# KiCad board dilemma.kicad_pcb (continued)
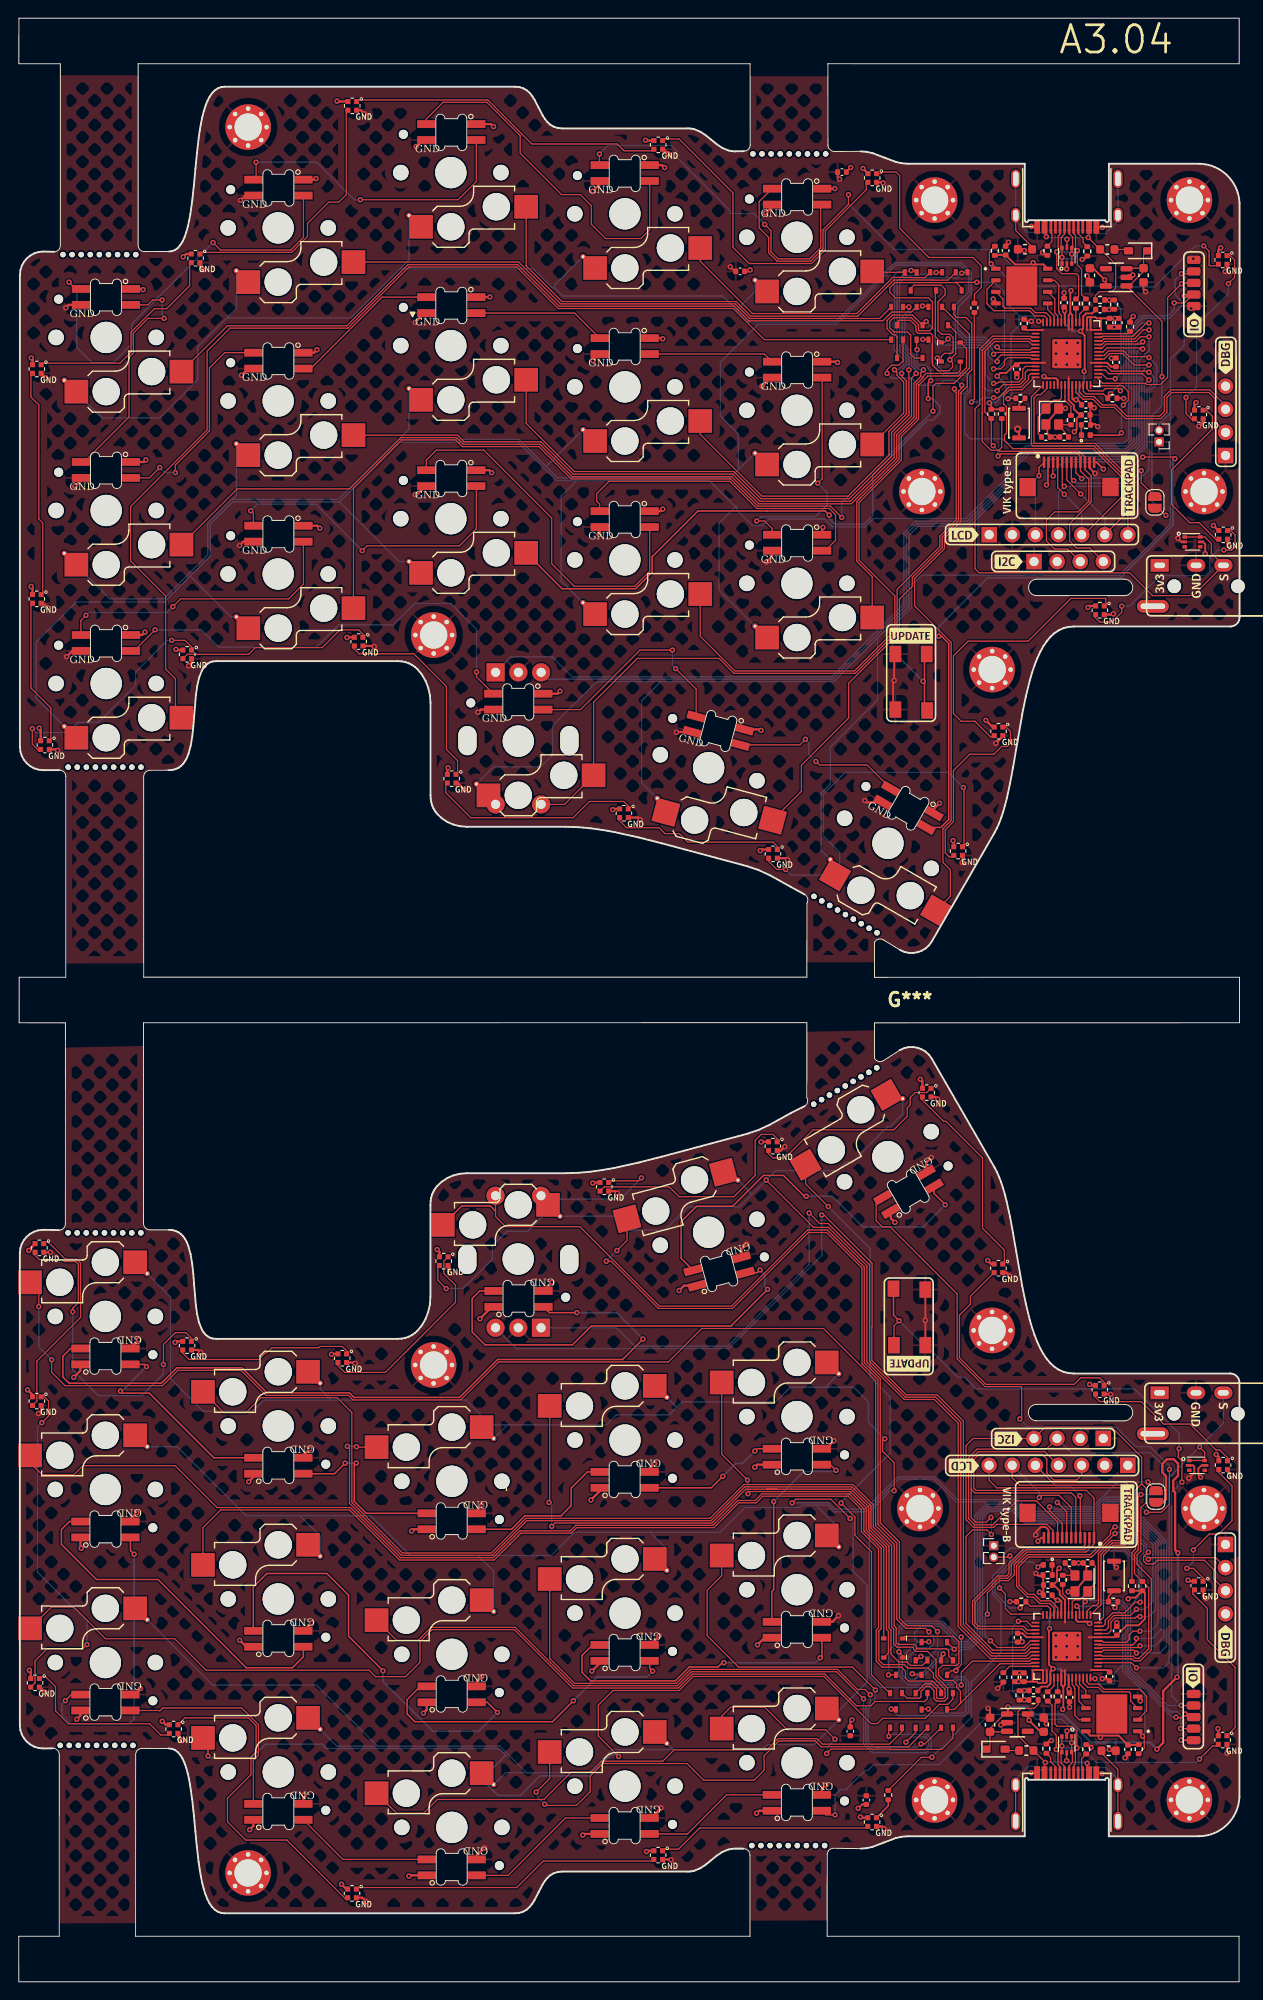
[diagram p0: board, top side]
## Routing (per net, layer and track width the routed paths; a pad name or vN(x,y) marks a point on that pad's centre or on a via; arc(x,y) is an arc through that point) (continued)
SDA_L: length 80.8
  Top w0.13: R5013.1 122.31,47.12 122.72,47.53 122.72,54.01 123.39,54.67 ; J5007.10 113.65,49.55 112.97,50.22 107.45,50.22 107.12,49.89 104.91,49.89 104.09,50.72 104.09,58.88 104.87,59.66 O5001.4 112.8,60.91 120.09,60.91 123.39,57.61 123.39,54.67 ; U5002.4 118.62,35.46 122.33,35.46 122.56,35.23 123.23,35.23 124.45,36.45 124.45,44.26 122.88,45.82 122.88,46.88 123.3,47.29 123.3,52.04 123.86,52.6 123.86,54.19 123.39,54.67
SERIAL: length 67.2
  Top w0.13: U5005.1 U5005.6 130.33,158.64 131.04,157.93 131.04,156.85 J102.R2 129.06,152.22 128.64,152.22 128.62,152.2 124.58,152.2 122.07,154.71 105.52,154.71 105.07,155.15 105.07,172.72 105.55,173.19 105.59,173.19 105.59,179.27 107,180.68 109.24,180.68 109.24,180.68 111.21,180.68 111.33,180.57 U1.3
SERIAL_L: length 43.8
  Top w0.13: v1(129.75,58.72) 130.32,58.15 U5006.6 U5006.1 ; U5002.3 122.26,35.03 v1(122.82,34.48)
  Bottom w0.13: J5003.R2 132.36,61.33 v1(129.75,58.72) 126.4,55.37 126.4,35.09 125.79,34.48 v1(122.82,34.48)
UNDER_RGB: length 18.5
  Top w0.13: v1(104.69,173.45) 105,173.76 105,183.28 R5016.1 ; U1.13 111.18,176.57 110.95,176.33 110.95,175.92 110.11,175.09 108.8,175.09 107.65,173.93 v1(107.11,173.93)
  Bottom w0.13: v1(107.11,173.93) 105.91,173.93 105.43,173.45 v1(104.69,173.45)
UNDER_RGB_L: length 59
  Top w0.13: R5015.1 99.18,24.65 v1(100.34,24.65) ; U5002.13 119.14,39.03 119.37,39.27 119.37,39.67 120.21,40.51 121.52,40.51 122.67,41.67 v1(123.21,41.67)
  Bottom w0.13: v1(123.21,41.67) 123.35,41.81 123.35,45.92 121.66,47.61 108.9,47.61 108.28,46.98 108.28,45.81 106.99,44.52 106.99,42.55 107.92,41.62 107.92,36.17 104.65,32.91 104.65,29.01 100.34,24.7 v1(100.34,24.65)
VIK_GP1: length 35.8
  Top w0.13: U1.15 111.27,174.04 111.27,168.79 111.44,168.62 118.17,168.62 121.59,165.21 121.59,161.14 J3.6 ; J113.6 115.16,164.9 v1(116.69,163.37)
  Bottom w0.13: J3.6 119.33,160.73 v1(116.69,163.37)
VIK_GP1_L: length 43.4
  Top w0.13: J5007.6 115.65,52.08 114.32,53.41 112.37,53.41 v1(112.14,53.17) ; J5004.6 109.16,55.34 109.98,54.53 121.53,54.53 122.15,53.91 122.15,48.93 121.41,48.19 120.17,48.19 118.91,46.94 118.91,41.43 U5002.15
  Bottom w0.13: J5004.6 112.14,53.73 v1(112.14,53.17)
VIK_GP2: length 41.5
  Top w0.13: J3.5 117.05,158.89 121.3,163.14 121.3,165.09 118.05,168.34 110.71,168.34 110.71,168.34 109.21,168.34 108.31,169.24 108.31,169.81 108.54,170.04 108.54,172.92 108.22,173.23 108.21,173.23 108.21,174.13 108.88,174.8 110.23,174.8 111.59,176.17 U1.14 ; J113.4 114.16,164.05 v1(114.89,163.32)
  Bottom w0.13: J3.5 116.79,161.42 v1(114.89,163.32)
VIK_GP2_L: length 39.7
  Top w0.13: J5004.5 113.6,54.81 121.65,54.81 122.44,54.03 122.44,48.86 121.52,47.94 120.27,47.94 119.2,46.86 119.2,40.04 U5002.14 ; v1(116.61,53.36) 116.65,53.32 J5007.4
  Bottom w0.13: v1(116.61,53.36) 115.51,54.46 113.95,54.46 J5004.5
VIK_RGB: length 75.7
  Top w0.13: v1(116.79,165.05) 116.16,165.68 J113.8 ; v1(123.51,167.41) 126.85,167.41 v1(127.03,167.23)
  Top w0.16: v1(101.08,147.73) 101.39,147.73 102.18,146.95 102.18,127.61 101.32,126.75 D5033.1
  Bottom w0.13: v1(123.51,167.41) 123.48,167.41 121.2,165.13 116.87,165.13 v1(116.79,165.05)
  Bottom w0.16: v1(127.03,167.23) 126.81,167.01 126.81,159.93 121.06,154.18 106.48,154.18 101.08,148.78 v1(101.08,147.73)
VIK_RGB_L: length 75.8
  Top w0.13: J5007.8 114.65,50.35 113.27,51.73 v1(113.27,52.14) ; D5051.1 94.21,85.39 94.21,83.56 94.9,82.87 95.77,82.87 103.11,75.52 103.11,68.39 106.16,65.34 110.2,65.34 110.2,62.01 v1(109.99,61.8) ; v1(126.44,56.26) 126.44,52.45 125.54,51.55 v1(123.91,51.55)
  Bottom w0.13: v1(109.99,61.8) 110.89,60.9 120.55,60.9 122.69,58.76 124.34,58.76 126.44,56.66 v1(126.44,56.26) ; v1(113.27,52.14) 113.57,52.14 113.81,51.9 118.14,51.9 119.44,53.2 122.26,53.2 v1(123.91,51.55)
Net-(C4-Pad1): length 3.1
  Top w0.13: Y1.3 C4.1 ; 115.66,170.96 114.3,170.96
Net-(C5008-Pad1): length 3.1
  Top w0.13: Y5001.3 C5008.1 ; 114.66,44.64 116.02,44.64
Net-(D1-K): length 1.1
  Top w0.13: 116.75,171.04 116.75,169.95 116.78,169.92
Net-(D2-A): length 1.6
  Top w0.13: F1.2 121.79,190.21 D2.2
Net-(D3-DIN): length 23.7
  Top w0.13: D3.1 94.73,198.54 94.9,198.71 96.4,198.71 96.8,198.31 96.8,192.53 100,189.33 104.84,189.33 105.77,188.4 105.77,186.04 105.01,185.28 R5016.2
Net-(D3-DOUT): length 36.6
  Top w0.13: 93.13,197.41 93.13,196.76 88.63,192.26 88.63,190.18 87.11,188.66 80.27,188.66 78.48,190.45 78.48,196.42 72.56,202.34 70.92,202.34
Net-(D4-DOUT): length 22
  Top w0.13: 36.7,146.5 37.39,145.81 43.41,145.81 47,142.22 47,135.3 48.22,134.08 48.22,132.75
Net-(D11-DIN): length 34.6
  Top w0.13: 69.62,201.04 66.51,201.04 65.76,201.79 56.38,201.79 51.54,206.63 37.29,206.63
Net-(D11-DOUT): length 28.5
  Top w0.13: 35.99,205.33 35.99,196.23 35.17,195.4 34.06,195.4 31.73,193.07 31.73,191.63 29.99,189.89 20.08,189.89
Net-(D12-DIN): length 23.3
  Top w0.13: 67.15,128.96 67.13,128.96 66.49,129.6 62.7,129.6 60.91,127.81 49.67,127.81 46.92,130.56 46.92,131.45
Net-(D12-DOUT): length 19
  Top w0.13: 65.85,127.66 66.8,126.71 70.36,126.71 71,126.07 72.59,126.07 73.52,125.14 82.88,125.14 83.52,124.5
Net-(D15-DOUT): length 23.3
  Top w0.13: 2.64,177.73 11.13,177.73 12.34,178.94 12.34,181.14 14.91,183.71 16.26,183.71 18.78,186.23 18.78,188.59
Net-(D16-DIN): length 40.9
  Top w0.13: v1(84.27,122.13) 83.29,122.13 82.22,123.2 ; v1(103.8,131.13) 103.87,131.06 103.87,124.8
  Bottom w0.13: v1(103.8,131.13) 102.13,132.8 90.82,132.8 88.42,130.4 88.42,125.8 90.21,124.01 90.21,122.86 88.87,121.52 84.88,121.52 v1(84.27,122.13)
Net-(D16-DOUT): length 20.1
  Top w0.13: 102.57,123.5 102.27,123.5 101.81,123.96 101.81,126.49 102.71,127.4 102.71,133 104.49,134.78 107.14,134.78 107.99,135.64 108.61,135.64 108.97,136 108.97,137.29 108.31,137.95
Net-(D18-DOUT): length 24.5
  Top w0.13: 1.34,176.43 1.34,174.01 2.21,173.14 2.21,160.61 2.64,160.18 2.64,152.49
Net-(D19-DOUT): length 31.7
  Top w0.13: 119.45,151.24 119.45,151.85 119.4,151.9 115.61,151.9 110.91,147.2 104.31,147.2 102.71,145.6 102.71,139.25 103.55,138.41 105.07,138.41 105.17,138.31 105.17,138.3 106.82,136.65 107.01,136.65
Net-(D21-DOUT): length 15.7
  Top w0.13: 1.34,151.19 1.34,142.06 3.53,139.87 3.53,136.44
Net-(D22-DOUT): length 22.7
  Top w0.13: v1(121.2,151.04) 121.2,150.38 120.11,149.28 118.81,149.28 118.15,149.94 ; v1(132.41,157.2) 133.27,157.2 133.66,157.59 133.66,158.86 133,159.52
  Bottom w0.13: v1(132.41,157.2) 131.78,157.2 130.88,156.3 130.88,154.87 130.4,154.39 125.39,154.39 122.04,151.04 v1(121.2,151.04)
Net-(D24-DOUT): length 26
  Top w0.13: 19.16,146.4 18.27,147.29 v1(16.8,147.29) ; 2.23,135.14 1.49,135.88 v1(1.49,137.61)
  Bottom w0.13: v1(1.49,137.61) 1.93,137.17 5.43,137.17 6.55,138.29 8.78,138.29 12.84,142.35 12.84,143.8 16.33,147.29 v1(16.8,147.29)
Net-(D25-DOUT): length 19.4
  Top w0.13: 130.32,172.74 131.16,171.9 131.16,170.49 126.67,166 126.67,162.2 128.67,160.2 129.72,160.2 131.7,158.22
Net-(D27-DOUT): length 21.8
  Top w0.13: 38,147.8 37.36,148.44 35.31,148.44 33.36,146.49 25.99,146.49 25.26,145.76 18.52,145.76 17.86,145.1
Net-(D28-DOUT): length 21.1
  Top w0.13: 132.94,189.71 133.6,189.05 133.6,187.13 v1(132.92,186.45) ; 129.02,171.44 128.26,172.2 v1(128.26,173.96)
  Bottom w0.13: v1(132.92,186.45) 132.92,185.36 129.42,181.86 129.42,175.12 v1(128.26,173.96)
Net-(D30-A-Pad1): length 109.5
  Top w0.13: D30.1 99.86,184 v1(99.31,184) ; v1(99.41,177) 99.11,176.7 99.11,176.26 98.37,175.51 98.37,171.78 96.47,169.88 96.47,167.27 91.47,162.28 81.32,162.28 78.33,165.27 60.81,165.27 57.26,168.82 48.85,168.82 48.11,169.55 42,169.55 36.37,163.92 24,163.92 SW102.2
  Bottom w0.13: v1(99.41,177) 98.93,177 98.38,177.55 98.38,178.63 97.36,179.65 97.36,182.65 98.39,183.69 98.99,183.69 v1(99.31,184)
Net-(D30-A-Pad2): length 88.8
  Top w0.13: SW101.2 22.91,181.83 36.04,181.83 42.75,188.54 54.82,188.54 59.38,183.98 78.62,183.98 80.22,182.37 94.97,182.37 95.94,183.34 98.1,183.34 D30.2
Net-(D31-A-Pad1): length 83.8
  Top w0.13: v1(98.61,176.6) 98.07,176.05 98.07,176 98.1,175.97 98.1,175.38 98.1,171.9 96.19,169.99 96.19,167.38 91.36,162.55 81.43,162.55 78.44,165.54 60.93,165.54 57.37,169.09 48.96,169.09 48.23,169.82 SW105.2 ; v1(97.81,183.9) D31.1
  Bottom w0.13: v1(98.61,176.6) 98.61,176.91 98.09,177.43 98.09,178.51 97.07,179.53 97.07,182.77 97.96,183.65 97.71,183.9 v1(97.81,183.9)
Net-(D31-A-Pad2): length 62.5
  Top w0.13: 95.59,183.63 D31.2 94.59,182.63 80.32,182.63 78.72,184.23 59.53,184.23 54.94,188.82 SW104.2
Net-(D32-A-Pad1): length 78.5
  Top w0.13: v1(97.81,177) 97.81,172.36 97.81,172.36 97.81,172.01 95.91,170.11 95.91,167.5 91.24,162.84 81.55,162.84 78.56,165.83 61.04,165.83 55.76,171.11 SW108.2
  Top w0.16: D32.1 103.7,187.7 v1(103.61,187.61)
  Bottom w0.13: v1(97.81,177) 97.81,178.39 96.79,179.41 96.79,179.71 96.79,186.57 97.31,187.1 103.1,187.1 v1(103.61,187.61)
Net-(D32-A-Pad2): length 58
  Top w0.13: SW107.2 55.76,188.41 59.68,184.49 78.83,184.49 80.43,182.89 92.2,182.89 96.17,186.86 100.35,186.86 100.36,186.84 102.1,186.84 D32.2
Net-(D33-A-Pad1): length 53
  Top w0.13: SW113.2 74.88,169.91 81.67,163.13 91.12,163.13 95.62,167.62 95.62,170.23 97.52,172.13 97.52,175.79 97.23,176.09 97.21,176.09 97.01,176.29 v1(97.01,176.6) ; v1(100.81,187.68) 100.84,187.71 D33.1
  Bottom w0.13: v1(97.01,176.6) 97.01,176.91 97.52,177.43 97.52,178.27 96.5,179.29 96.5,186.69 97.17,187.36 98.97,187.36 99.09,187.48 100.61,187.48 v1(100.81,187.68)
Net-(D33-A-Pad2): length 31.1
  Top w0.13: 98,187.14 98.03,187.11 99.56,187.11 D33.2 ; 98,187.14 96.05,187.14 93.11,184.2 92.08,183.18 80.62,183.18 74.88,188.91 SW112.2 ; 98,187.14 98.09,187.14
Net-(D34-A-Pad1): length 24.3
  Top w0.13: D34.1 98.46,187.9 v1(98.06,187.9) ; v1(96.23,177) 96.5,176.72 96.5,176.39 97.09,175.8 97.11,175.8 97.24,175.67 97.24,172.83 97.23,172.25 SW116.2
  Bottom w0.13: v1(98.06,187.9) 97.96,187.8 96.61,187.8 96.21,187.4 96.21,179.18 97.24,178.15 97.24,177.55 96.72,177.03 96.72,177.03 96.69,177 v1(96.23,177)
Net-(D34-A-Pad2): length 3.6
  Top w0.13: D34.2 93.88,187.7 SW115.2
Net-(D35-A-Pad1): length 70.4
  Top w0.13: v1(95.41,176.6) 95.41,177 95.91,177.5 96.71,177.5 97.16,177.95 D35.1 ; v1(103.61,175.3) 103.61,174.98 103.26,174.64 103.26,160.42 101.46,158.62 101.46,157.47 98.18,154.19 98.18,153.22 96.77,151.81 96.77,148.16 91.2,142.58 91.2,138.78 86,133.58 86,130.71 SW118.2
  Bottom w0.13: v1(95.41,176.6) 95.91,176.09 98.12,176.09 98.91,175.3 101.11,175.3 101.61,175.81 103.1,175.81 v1(103.61,175.3)
Net-(D35-A-Pad2): length 128.3
  Top w0.13: SW103.2 17.22,139.46 17.22,143.05 16.14,144.13 16.14,152.17 12.29,156.02 12.29,161.99 20.7,170.4 20.7,179.06 23.21,181.57 36.15,181.57 42.86,188.28 54.72,188.28 59.28,183.72 78.51,183.72 81.93,180.3 D35.2
Net-(D36-A-Pad1): length 73.3
  Top w0.13: D36.1 102.76,183.05 103.07,182.74 104.07,182.74 104.71,182.1 104.71,176.99 104.22,176.5 104.22,175.19 103.52,174.49 103.52,160.31 101.72,158.51 101.72,157.36 98.44,154.08 98.44,151.07 102.45,147.06 102.45,127.5 101.55,126.6 101.55,122.91 102.37,122.09 102.37,119.19 SW119.2
Net-(D36-A-Pad2): length 103.9
  Top w0.13: SW106.2 36.78,163.97 42.11,169.29 48.01,169.29 48.74,168.56 57.15,168.56 60.71,165.01 78.22,165.01 81.21,162.02 89.2,162.02 v1(90.43,160.79) ; D36.2 104.45,180.9 104.45,177.18 102.79,175.51 100.78,175.51 100.46,175.19 v1(100.46,172.45)
  Bottom w0.13: v1(90.43,160.79) 90.43,162.42 v1(100.46,172.45)
Net-(D37-A-Pad2): length 70.3
  Top w0.13: D37.2 98.66,179.14
  Top w0.16: SW109.2 59.69,152.96 67.79,152.96 69.6,154.77 69.6,156.47 74.62,161.49 82.24,161.49 82.24,161.49 88.61,161.49 v1(89.06,161.04) ; v1(100.21,175.81) 99.93,175.53 v1(99.93,173.83)
  Bottom w0.13: v1(100.21,175.81) 100.21,176.91 99.62,177.5 98.83,177.5 98.67,177.66 98.67,179.16 v1(98.71,179.2)
  Bottom w0.16: v1(99.93,173.83) 100.4,173.83 101.23,173 101.23,172.27 100.41,171.45 99.85,171.45 93.83,165.44 93.83,160.96 92.9,160.03 89.71,160.03 89.06,160.68 v1(89.06,161.04)
Net-(D112-A): length 69.8
  Top w0.13: D112.2 104.14,179.32 104.14,177.23 103.23,176.31 99.85,176.31 99.85,176.26 98.88,175.3 98.88,171.57 96.98,169.67 96.98,167.06 92.34,162.42 92.34,156.09 96.26,152.16 96.26,148.37 91.82,143.93 78.69,143.93 74.88,147.74 SW114.2
Net-(D115-A): length 35.5
  Top w0.13: SW117.2 93.78,154.28 92.08,155.98 92.08,162.52 96.72,167.17 96.72,169.77 98.62,171.68 98.62,175.4 99.37,176.15 99.37,176.27 99.71,176.6 103.11,176.6 103.46,176.95 D115.2
Net-(D5001-K): length 1.1
  Top w0.13: 113.54,45.68 113.57,45.65 113.57,44.56
Net-(D5002-A-Pad1): length 133.4
  Top w0.13: SW5003.2 1.24,57 2.56,55.68 6.07,55.68 7.06,56.67 17.19,56.67 21.79,52.07 36.44,52.07 41.95,46.57 52.13,46.57 55.07,49.51 60.59,49.51 61.2,50.12 76.28,50.12 79.01,52.85 80.92,52.85 81.64,53.57 91.24,53.57 92.87,51.94 92.87,49.51 94.76,47.62 94.76,38.77 94.51,38.52 94.51,35.32 94.99,34.83 97.3,34.83 97.69,34.45 99.93,34.45 100.5,33.88 100.5,33.42 101.79,32.13 101.79,31.27 101.62,31.1 100.96,31.1 100.86,31.2 100.86,32.15 100.27,32.74 99.59,32.74 98.55,31.7 D5002.1
Net-(D5002-A-Pad2): length 111.9
  Top w0.13: 99.55,30.78 99.85,31.08 D5002.2 ; 99.55,30.78 94.09,30.78 93.62,30.31 92.05,30.31 88.58,33.78 74.01,33.78 72.48,32.25 60.86,32.25 54.45,38.66 45.41,38.66 44.09,37.35 44.09,35.09 42.5,33.5 39.21,33.5 38.5,34.21 20.59,34.21 17.13,37.67 9.53,37.67 6.05,41.15 3.59,41.15 SW5002.2 ; 99.55,30.78 99.51,30.75
Net-(D5003-A-Pad1): length 98.3
  Top w0.13: SW5005.2 66.83,81.4 v1(65.73,80.29) ; D5003.1 101.35,35.78 v1(101.57,36) ; v1(100.01,38.44) 99.63,38.81 97.48,38.81 96.48,39.81 96.48,48.17 94.41,50.24 94.41,66.1 92.65,67.86 92.65,78.38 88.77,82.27 86.76,82.27 78.43,73.93 70.27,73.93 65.09,79.12 v1(64.56,79.12)
  Bottom w0.13: v1(100.01,38.44) 100.56,37.88 100.56,37.53 100.55,37.52 100.55,37.18 100.05,36.68 98.82,36.68 97.67,35.53 97.67,33.51 97.95,33.23 98.51,33.23 98.84,33.56 99.37,33.56 101.57,35.76 v1(101.57,36) ; v1(64.56,79.12) v1(65.73,80.29)
Net-(D5003-A-Pad2): length 146.9
  Top w0.13: D5003.2 102.19,35.76 102.19,36.33 101.96,36.56 98.67,36.56 98.61,36.62 98.61,36.89 98.45,37.05 96.6,37.05 96.41,37.23 96.41,38.86 96.19,39.08 96.19,48.04 94.15,50.08 94.15,66 88.42,71.73 75.05,71.73 71.38,68.06 52.73,68.06 48.56,63.89 36.72,63.89 36.22,64.39 27.17,64.39 24.42,67.14 17.48,67.14 15.79,65.45 5.08,65.45 3.61,66.92 v1(3.61,68.31) ; v1(2.2,74.13) 2.2,75.85 SW5004.2
  Bottom w0.13: v1(2.2,74.13) 2.2,69.72 v1(3.61,68.31)
Net-(D5004-A): length 1.6
  Top w0.13: D5004.2 108.53,25.39 F5001.2
Net-(D5005-A-Pad1): length 109.8
  Top w0.13: SW5007.2 20.24,49.86 22.19,51.81 36.34,51.81 41.84,46.31 52.24,46.31 55.18,49.25 60.69,49.25 61.31,49.86 76.39,49.86 79.12,52.59 81.02,52.59 81.75,53.32 91.13,53.32 92.59,51.86 92.59,49.42 94.47,47.54 94.47,38.89 94.22,38.64 94.22,35.2 94.87,34.55 96.99,34.55 97.44,34.1 97.44,33.36 97.77,33.02 100.39,33.02 101.35,32.06 D5005.1
Net-(D5005-A-Pad2): length 107.7
  Top w0.13: v1(65.91,24.75) 63.68,26.98 63.68,30.37 65.29,31.98 72.57,31.98 74.11,33.53 88.47,33.53 93.65,28.35 94.34,28.35 94.92,28.93 99.62,28.93 101.15,30.46 102.07,30.46 102.65,31.04 D5005.2
  Top w0.16: v1(20.79,24.79) 20.79,26.23 SW5006.2
  Bottom w0.16: v1(20.79,24.79) 20.99,24.59 25.61,24.59 27.11,26.09 33.35,26.09 33.83,25.61 52.76,25.61 53.52,24.84 53.47,24.84 51.61,22.98 51.61,21.52 52.68,20.45 55.1,20.45 57.26,22.61 62.73,22.61 65.03,24.91 65.75,24.91 v1(65.91,24.75)
Net-(D5006-A-Pad1): length 66.4
  Top w0.13: v1(90.36,52.56) 91.88,51.04 91.88,49.03 93.7,47.21 93.7,33.69 95.69,31.7 D5006.1 ; SW5009.2 86.46,87.61 v1(88.95,85.12)
  Bottom w0.13: v1(90.36,52.56) 90.36,52.66 95.75,58.05 95.75,64.21 93.56,66.4 93.56,80.51 v1(88.95,85.12)
Net-(D5006-A-Pad2): length 126.1
  Top w0.13: D5006.2 97.6,31.14 98.98,31.14 99.15,31.31 99.15,31.89 99.71,32.45 100.09,32.45 100.57,31.97 100.57,31.08 100.84,30.81 101.73,30.81 102.07,31.15 102.07,32.25 100.79,33.53 100.79,35.35 99.86,36.27 98.55,36.27 98.32,36.5 98.32,36.74 96.51,36.74 96.13,37.11 96.13,38.74 95.91,38.96 95.91,47.93 93.9,49.94 93.9,52.37 91.66,54.6 79.67,54.6 75.96,50.89 55.73,50.89 51.92,47.08 42.16,47.08 36.6,52.64 36.6,62.51 34.98,64.13 26.61,64.13 24.97,62.49 22.42,62.49 22.42,62.6 SW5008.2
Net-(D5007-A-Pad1): length 79.5
  Top w0.13: v1(95.6,26.95) 95.6,27.75 D5007.1 ; v1(92.83,31.07) 89.86,34.04 73.9,34.04 72.37,32.51 60.97,32.51 54.56,38.92 45.3,38.92 43.88,37.5 41.52,37.5 SW5011.2
  Bottom w0.13: v1(95.6,26.95) 95.81,27.17 99.79,27.17 100.26,26.7 100.26,25.72 99.7,25.16 93.77,25.16 92.83,26.1 v1(92.83,31.07)
Net-(D5007-A-Pad2): length 63.3
  Top w0.13: D5007.2 97.05,27.47 95.67,26.09 88.31,26.09 87.7,26.7 83.43,26.7 82.19,25.46 72,25.46 70.76,24.22 64.06,24.22 62.86,23.02 60.7,23.02 57.7,20.02 46,20.02 44.5,18.52 41.5,18.52 SW5010.2
Net-(D5008-A-Pad2): length 95.2
  Top w0.13: D5008.2 99.29,34.74 97.98,34.74 97.61,35.12 96.69,35.12 95.84,35.97 95.84,38.62 95.62,38.84 95.62,47.85 93.64,49.83 93.64,52.26 91.56,54.34 79.78,54.34 76.07,50.63 55.84,50.63 52.03,46.82 42.05,46.82 36.34,52.53 36.34,58.57 v1(36.11,58.8) ; v1(37.11,58.75) 37.16,58.7 SW5012.2
  Bottom w0.13: v1(36.11,58.8) 37.06,58.8 v1(37.11,58.75)
Net-(D5009-A): length 70.6
  Top w0.13: SW5016.2 58.34,52.71 v1(58.26,52.63) ; D5009.2 95.55,36.11 95.55,38.5 95.33,38.72 95.33,47.77 93.38,49.72 93.38,52.16 91.45,54.09 82.17,54.09 83.31,54.09 79.88,54.09 76.17,50.38 58.94,50.38 v1(58.56,50)
  Bottom w0.13: v1(58.56,50) 58.56,52.33 v1(58.26,52.63)
Net-(D5010-A-Pad1): length 65.4
  Top w0.13: v1(97.47,26.31) 98.55,27.39 D5010.1 ; SW5015.2 58.34,35.5 61.08,32.77 72.26,32.77 73.79,34.3 89.97,34.3 92.16,32.1 92.99,32.1 v1(93.57,31.52)
  Bottom w0.13: v1(93.57,31.52) 93.57,30.59 93.09,30.11 93.09,26.21 93.85,25.45 99.59,25.45 99.98,25.84 99.98,26.58 99.68,26.88 98.04,26.88 v1(97.47,26.31)
Net-(D5010-A-Pad2): length 56.4
  Top w0.13: SW5014.2 58.34,22.32 v1(56.85,20.83) ; v1(57.79,19.49) 57.91,19.37 61.29,19.37 62.79,20.87 62.79,22.59 64.17,23.96 73.44,23.96 75.26,22.14 80.81,22.14 81.9,23.23 81.9,24.81 83.54,26.44 87.52,26.44 88.15,25.81 97.77,25.81 D5010.2
  Bottom w0.13: v1(57.79,19.49) 56.99,20.29 56.99,20.69 v1(56.85,20.83)
Net-(D5011-A): length 42.4
  Top w0.13: v1(80.12,53.59) 80.35,53.83 91.34,53.83 93.12,52.05 93.12,49.62 95.05,47.69 95.05,37.7 D5011.2 ; SW5019.2 77.24,57.93 v1(80.08,55.09)
  Bottom w0.13: v1(80.08,55.09) 80.12,55.05 v1(80.12,53.59)
Net-(D5012-A-Pad1): length 45.6
  Top w0.13: D5012.1 99.57,26.12 v1(99.13,26.12) ; SW5018.2 77.24,44.59 75.64,42.99 75.64,38.01 79.1,34.55 91.61,34.55 v1(94.13,32.03)
  Bottom w0.13: v1(94.13,32.03) 94.06,31.96 94.06,30.72 93.34,30 93.34,26.32 93.92,25.74 98.74,25.74 v1(99.13,26.12)
Net-(D5012-A-Pad2): length 33.4
  Top w0.13: D5012.2 102.65,26.75 101.42,25.52 95.8,25.52 95.77,25.55 89.26,25.55 v1(88.77,25.06) ; SW5017.2 77.24,29.17 78.22,30.15 81.97,30.15 84.45,27.67 88.66,27.67 v1(89.7,26.63)
  Bottom w0.13: v1(89.7,26.63) 88.88,25.81 88.88,25.17 v1(88.77,25.06)
Net-(D5013-DIN): length 2.3
  Top w0.16: 94.42,18.19 95.54,19.31 R5015.2
Net-(D5013-DOUT): length 23.2
  Top w0.13: 93.12,16.89 74.83,16.89 72.5,14.56 70.91,14.56
Net-(D5014-DIN): length 19.6
  Top w0.13: 17.85,69.2 18.72,68.33 26.37,68.33 27.11,69.07 27.27,69.07 27.81,69.61 32.96,69.61 33.11,69.76 35.56,69.76 36.2,69.12
Net-(D5014-DOUT): length 22.6
  Top w0.13: 34.9,67.82 35.81,66.91 40.29,66.91 47.99,74.61 47.99,76.48 46.71,77.76 46.71,79.13 47.35,79.78
Net-(D5015-DIN): length 17.9
  Top w0.13: 129.01,42.86 129.01,42.59 130.6,41 130.6,37.57 133.66,34.51 133.66,27.91 132.93,27.19
Net-(D5016-DOUT): length 33.5
  Top w0.13: 69.61,13.26 57.63,13.26 54.72,10.35 37.27,10.35
Net-(D5017-DOUT): length 33.6
  Top w0.13: v1(46.97,76.11) 46.05,77.03 46.05,78.48 ; v1(68.42,88.27) 68.09,87.94 64.99,87.94
  Bottom w0.13: v1(46.97,76.11) 46.99,76.13 48.83,76.13 52.04,79.34 52.04,80.79 53.64,82.39 55.91,82.39 59.46,85.94 66.09,85.94 v1(68.42,88.27)
Net-(D5018-DOUT): length 37.4
  Top w0.13: 35.97,9.05 29.46,15.56 24.95,15.56 22.93,17.58 22.93,20.16 25.52,22.74 25.52,24.72 26.08,25.28 26.08,28.12 25.23,28.98 18.25,28.98 17.67,28.4
Net-(D5019-DOUT): length 25.9
  Top w0.13: 83.51,92.4 82.87,93.05 81.57,93.05 80.92,92.39 80.92,88.55 78.57,86.2 72.55,86.2 71.47,87.28 64.33,87.28 63.69,86.64
Net-(D5020-DOUT): length 18.1
  Top w0.13: 2.44,33.48 2.97,33.48 4.04,32.41 4.04,29.75 5.46,28.33 14.38,28.33 15.61,27.1 16.37,27.1
Net-(D5021-DOUT): length 22.7
  Top w0.13: 100.42,98.28 99.78,97.64 98.49,97.64 97.95,97.1 97.95,96.29 97.62,95.96 97.62,95.02 96.14,93.54 87.28,93.54 84.2,90.46 82.86,90.46 82.21,91.1
Net-(D5022-DOUT): length 40.2
  Top w0.13: 1.14,32.18 1.79,32.82 1.79,35.23 3.14,36.58 7.06,36.58 v1(7.51,37.03) ; 2.64,64.41 3.28,63.77 3.28,62.13 v1(2.54,61.39)
  Bottom w0.13: v1(2.54,61.39) 2.06,60.91 2.06,44.97 7.51,39.52 v1(7.51,37.03)
Net-(D5023-DOUT): length 21.9
  Top w0.13: 99.12,96.98 101.62,94.48 101.88,94.48 105.9,90.46 105.9,82.73 108.29,80.34 108.29,78.99
Net-(D5024-DOUT): length 22.9
  Top w0.13: 1.34,63.11 2,63.77 2,68.16 6.8,72.96 6.8,78.9 6.36,79.34 5.12,79.34 3.23,81.23 2.92,81.23
Net-(D5025-DOUT): length 28.5
  Top w0.13: 119.44,65.66 118.78,66.32 116.68,66.32 115.97,65.6 106.27,65.6 103.37,68.5 103.37,73.2 104.57,74.4 104.57,75.27 106.99,77.69
Net-(D5026-DOUT): length 36.7
  Top w0.13: v1(5.93,73.56) 5.93,73.96 6.54,74.57 6.54,78.79 6.25,79.08 5.01,79.08 4.81,79.28 2.26,79.28 1.62,79.93 ; 19.15,70.5 18.38,71.27 17.2,71.27 15.9,69.97 v1(15.9,67.78)
  Bottom w0.13: v1(5.93,73.56) 5.93,67.18 8.75,64.36 13.51,64.36 15.9,66.75 v1(15.9,67.78)
Net-(D5027-DOUT): length 17.7
  Top w0.13: 132.99,57.38 131.98,58.39 131.56,58.39 128.71,61.24 125.81,61.24 123.34,63.7 118.8,63.7 118.14,64.36
Net-(D5029-DOUT): length 16.6
  Top w0.13: 128.35,45.29 v1(128.35,45.4) 129.07,45.4 130.31,44.16 ; 131.69,56.08 133.32,54.45 133.32,50.62 131.86,49.16 130.81,49.16 v1(129.07,47.42)
  Bottom w0.13: v1(128.35,45.4) 129.07,46.12 v1(129.07,47.42)
Net-(D5031-DOUT): length 38.3
  Top w0.13: v1(63.8,200.69) 63.8,199.51 D5034.3 ; D5031.1 88.12,194.97 88.12,190.39 86.9,189.17 83.43,189.17 82.66,189.95 82.66,192.26 v1(81.96,192.96)
  Bottom w0.13: v1(81.96,192.96) 80.76,194.16 78.2,194.16 78.2,194.43 72.3,200.33 72.3,201.02 71.69,201.63 64.74,201.63 v1(63.8,200.69)
Net-(D5032-DIN): length 14.7
  Top w0.13: D5032.3 61.08,183.23 D5046.1
Net-(D5032-DOUT): length 13.8
  Top w0.13: D5035.3 81.94,178.73 D5032.1
Net-(D5033-DIN): length 19.7
  Top w0.13: D5048.1 85.83,135.81 v1(86.44,136.42) ; D5033.3 93.21,133.61 87.97,133.61 v1(87.59,133.99)
  Bottom w0.13: v1(87.59,133.99) 86.81,134.77 86.81,136.05 v1(86.44,136.42)
Net-(D5034-DOUT): length 40.1
  Top w0.13: D5034.1 69.33,192.37 68.37,191.41 64.48,191.41 62.92,192.97 62.92,195.01 61.7,196.23 59.64,196.23 55.1,200.77 55.1,202.71 51.44,206.37 46.62,206.37 44.78,204.53 44.78,203.98
Net-(D5035-DOUT): length 25.8
  Top w0.13: v1(87.79,164.54) 88.28,165.03 D5035.1 ; v1(81.08,160.4) 81.96,160.4 82.78,159.58 82.78,158.89
  Bottom w0.13: v1(81.08,160.4) 81.55,160.87 87.53,160.87 88.8,162.14 88.8,163.53 v1(87.79,164.54)
Net-(D5036-DOUT): length 33.3
  Top w0.13: D5036.1 50.28,197.67 48.28,195.67 v1(37.53,195.67) ; v1(26.08,199.78) 26.08,198.17 25.78,197.88
  Bottom w0.13: v1(26.08,199.78) 32.75,199.78 36.86,195.67 v1(37.53,195.67)
Net-(D5037-DOUT): length 35.1
  Top w0.13: D5039.3 63.83,162.24 63.51,162.56 63.51,163.41 64.85,164.75 78.12,164.75 81.1,161.77 89.06,161.77 89.75,161.08 89.75,158.27 88.61,157.14 D5037.1
Net-(D5038-DOUT): length 47
  Top w0.13: v1(21.35,190.96) 22.16,190.15 29.88,190.15 31.28,191.54 D5038.1 ; 6.83,185.88 6.26,185.88 v1(5.52,186.62)
  Bottom w0.13: v1(5.52,186.62) 6.37,185.77 6.37,179.45 8.06,177.76 10.37,177.76 12.42,179.81 12.42,182.03 v1(21.35,190.96)
Net-(D5039-DOUT): length 40.8
  Top w0.13: D5041.3 44.78,167.08 45.87,168.17 51.11,168.17 58.56,160.72 58.56,155.7 61.03,153.23 67.68,153.23 69.33,154.88 69.33,159.73
Net-(D5040-DOUT): length 26.6
  Top w0.13: D5040.1 14.19,184.13 14.73,184.66 v1(15.75,184.66) ; D5042.3 7.18,166.88 12.12,171.82 12.12,178.36 12.6,178.83 12.6,181.03 14.2,182.64 v1(15.98,182.64)
  Bottom w0.13: v1(15.98,182.64) 15.98,182.83 15.75,183.06 v1(15.75,184.66)
Net-(D5041-DOUT): length 34.6
  Top w0.13: 50.28,164.23 50.28,159.53 48.41,157.66 38.26,157.66 v1(37.74,157.14) ; v1(25.49,161.52) 25.78,161.23 D5043.3
  Bottom w0.13: v1(37.74,157.14) 32.65,162.23 26.2,162.23 v1(25.49,161.52)
Net-(D5042-DOUT): length 24.2
  Top w0.13: D5042.1 14.34,165.13 v1(15.49,166.27) ; v1(17.21,165.71) 17.21,166.55 20.96,170.29 20.96,177.21 22.62,178.88 25.78,178.88
  Bottom w0.13: v1(15.49,166.27) 16.05,165.71 v1(17.21,165.71)
Net-(D5043-DOUT): length 32.4
  Top w0.13: D5045.3 6.83,149.48 v1(7.39,150.04) ; D5043.1 31.28,153.46 29.66,151.84 17.78,151.84 v1(16.93,150.99)
  Bottom w0.13: v1(16.93,150.99) 16.29,150.35 7.7,150.35 v1(7.39,150.04)
Net-(D5044-DOUT): length 16.8
  Top w0.13: D5046.3 39.92,184.98 32.07,177.13 D5044.1
Net-(D5045-DOUT): length 50.7
  Top w0.13: D5045.1 12.66,146.13 v1(14.99,148.45) ; v1(50.3,143.81) 50.3,143.27 D5047.3
  Bottom w0.13: v1(50.3,143.81) 50.3,148.5 47.47,151.33 43.49,151.33 41.16,149 35.18,149 32.73,146.55 21.96,146.55 20.08,148.43 15.01,148.43 v1(14.99,148.45)
